# Altium PCB PI4MB_HAT_V2_1.PcbDoc
Units mm, origin at the board's own origin, x right, y up, seen from the top; angles counter-clockwise.
Board outline 65 x 56 mm, 4 copper layers (Top Layer, Int1 (GND), Int2 (PWR), Bottom Layer), stack 1.594 mm thick; 45 components, 41 nets, 219 pads, 108 vias.
Unrouted connection lines stored in the file: 3.
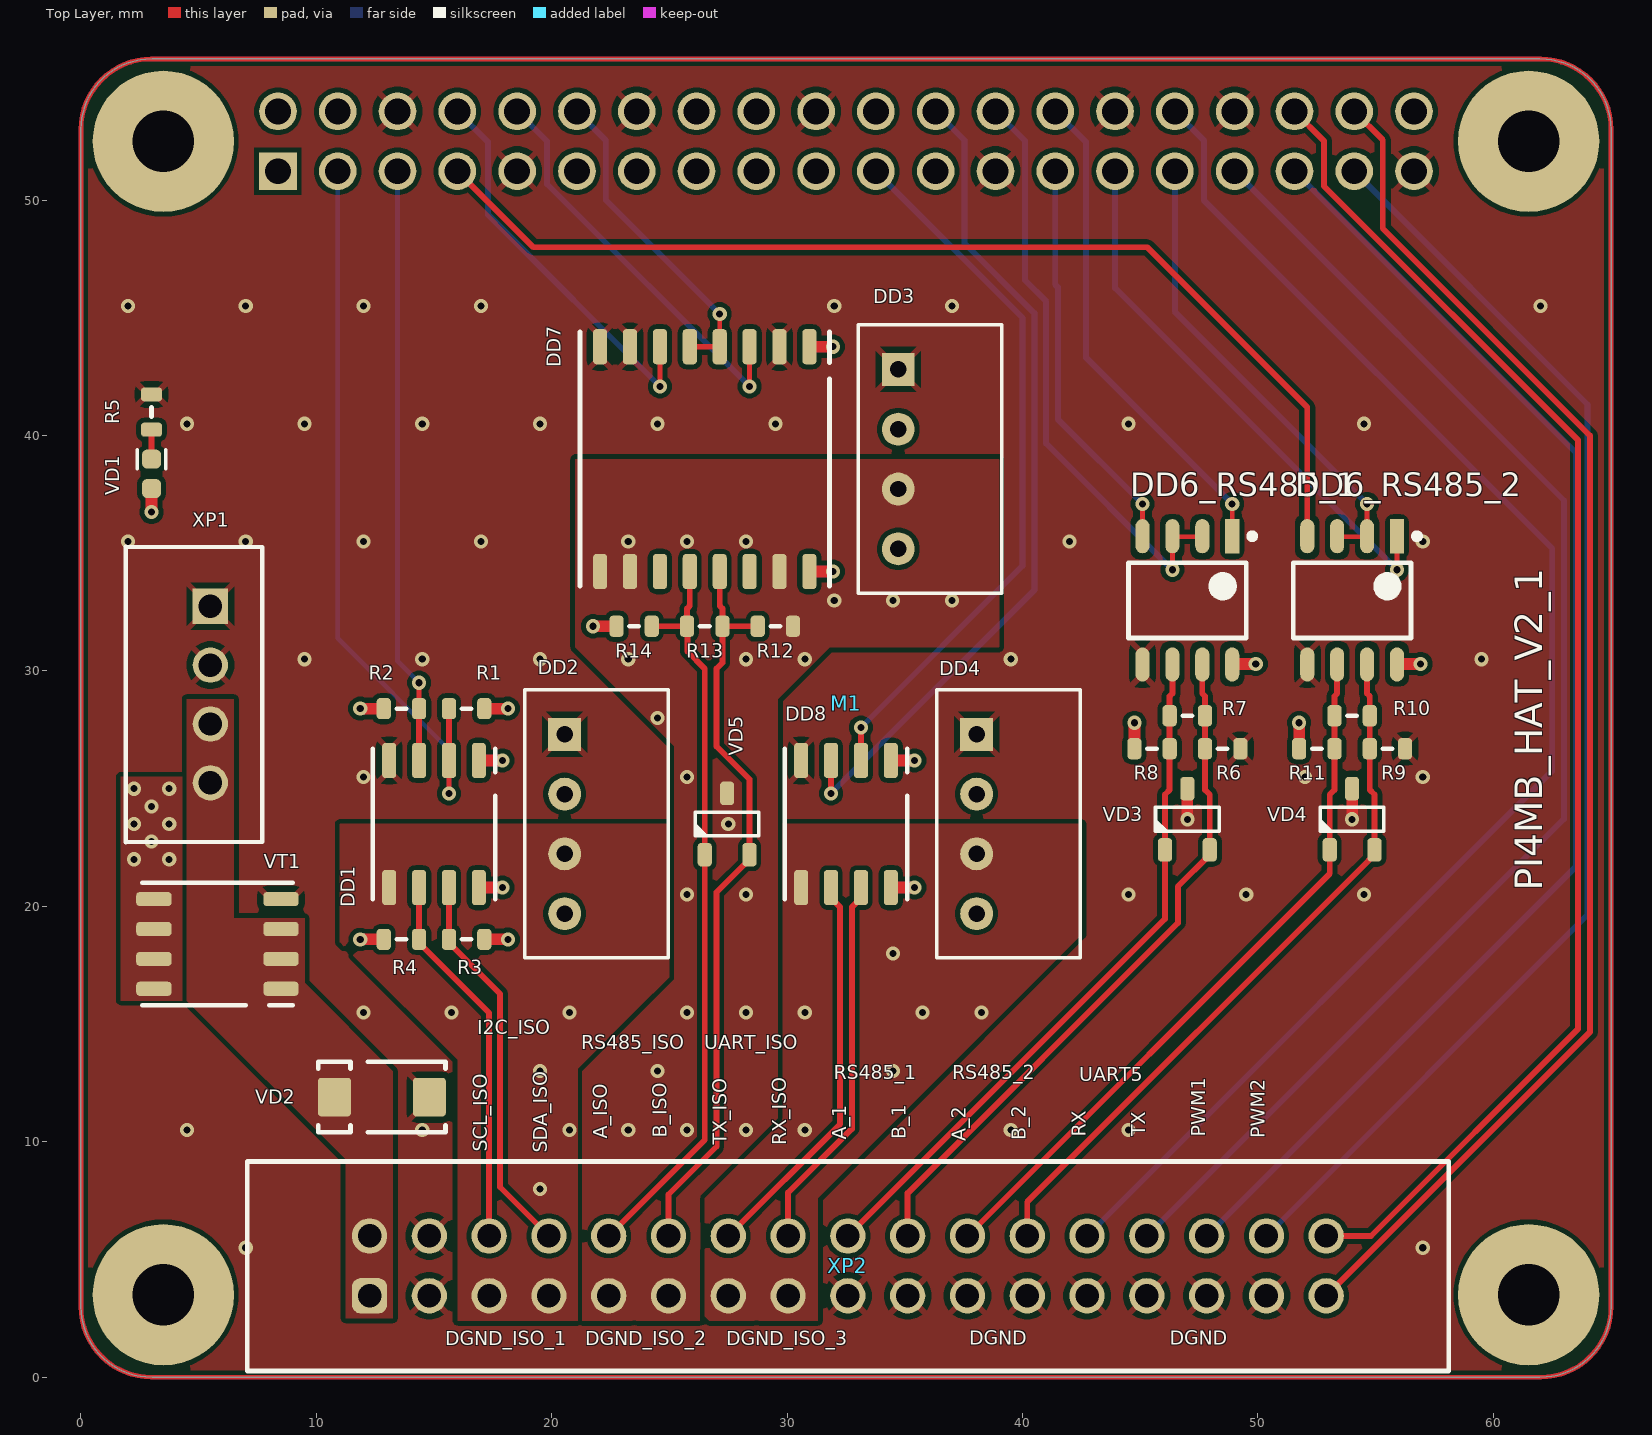
[diagram p0: Top Layer view]
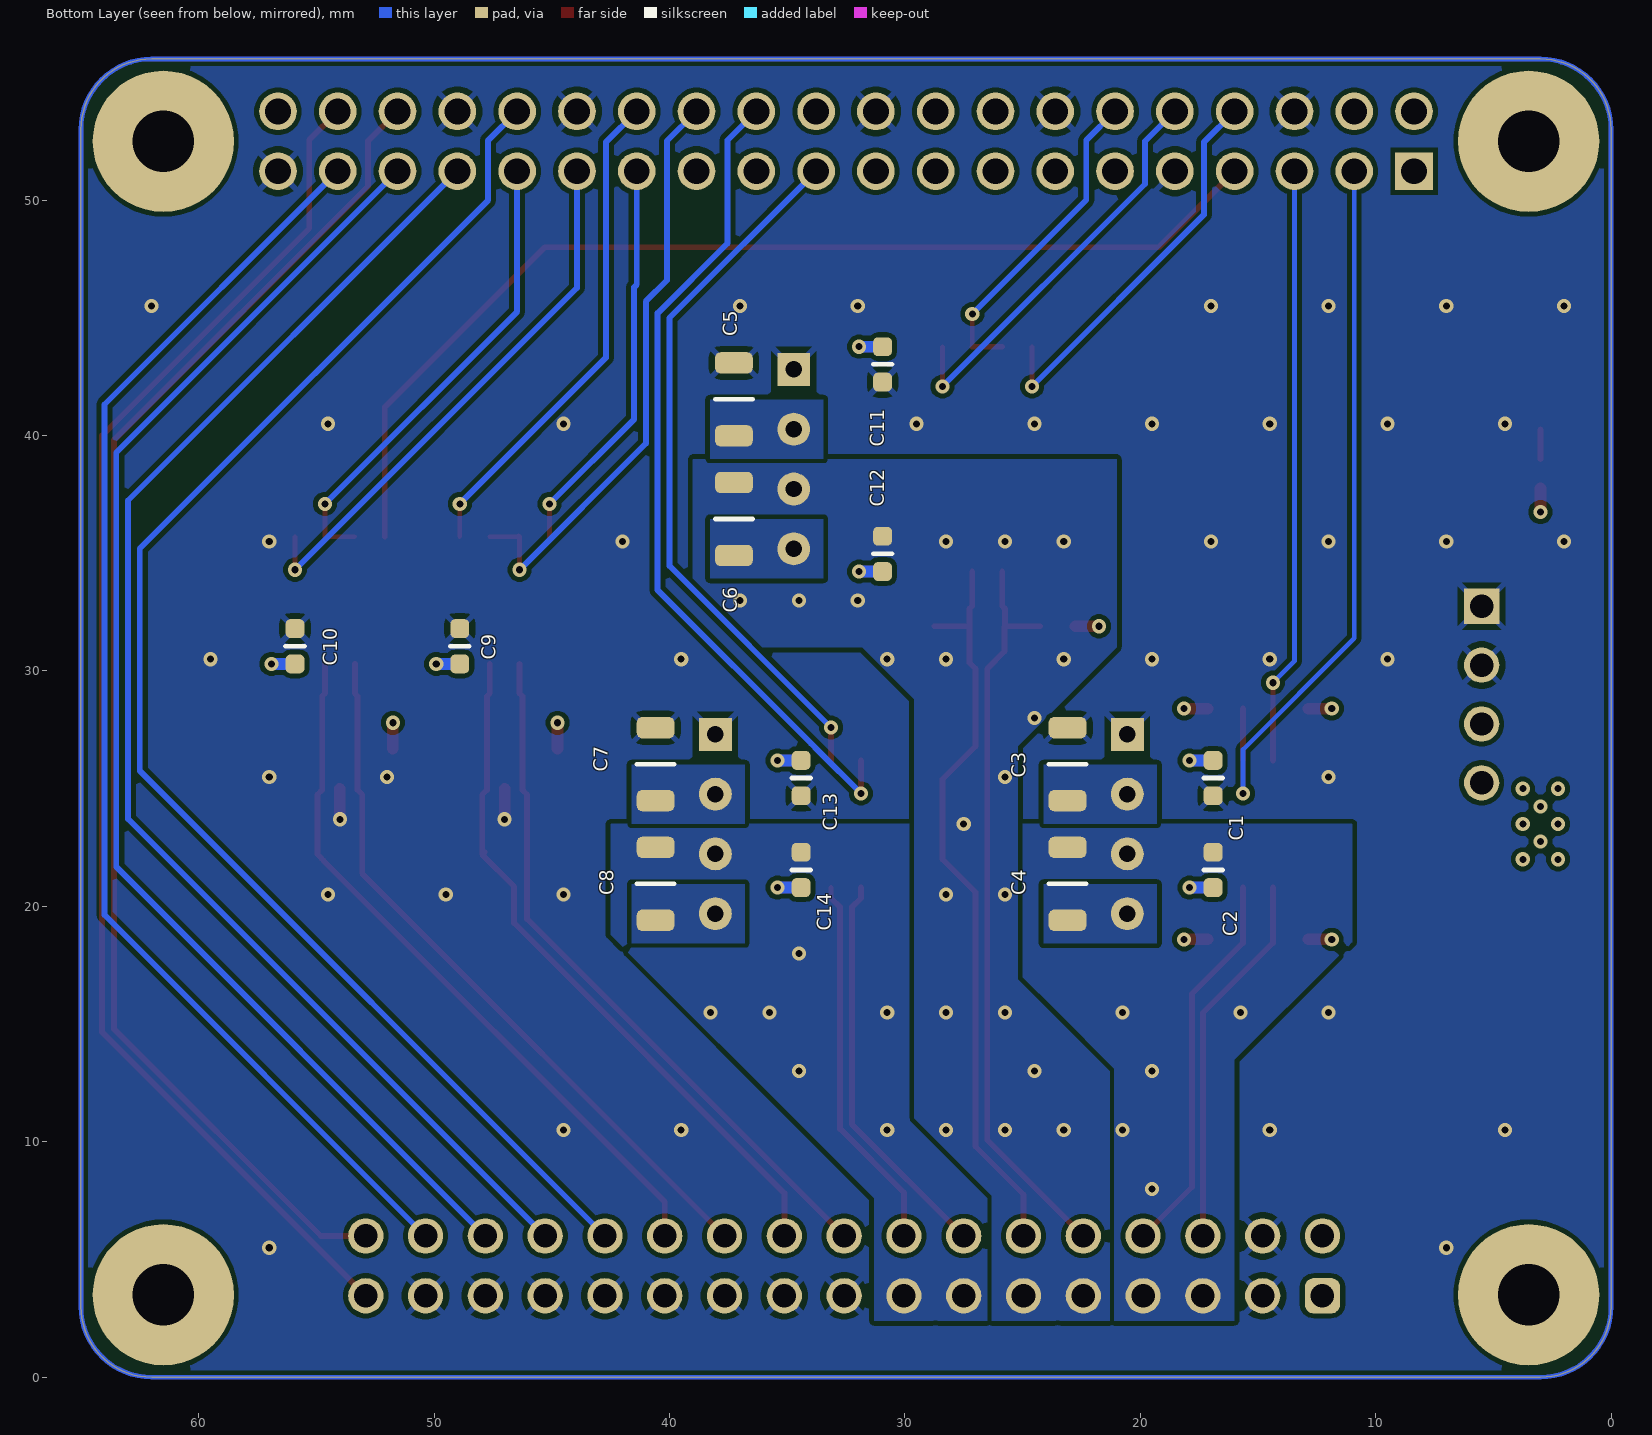
[diagram p1: Bottom Layer view, seen from below]
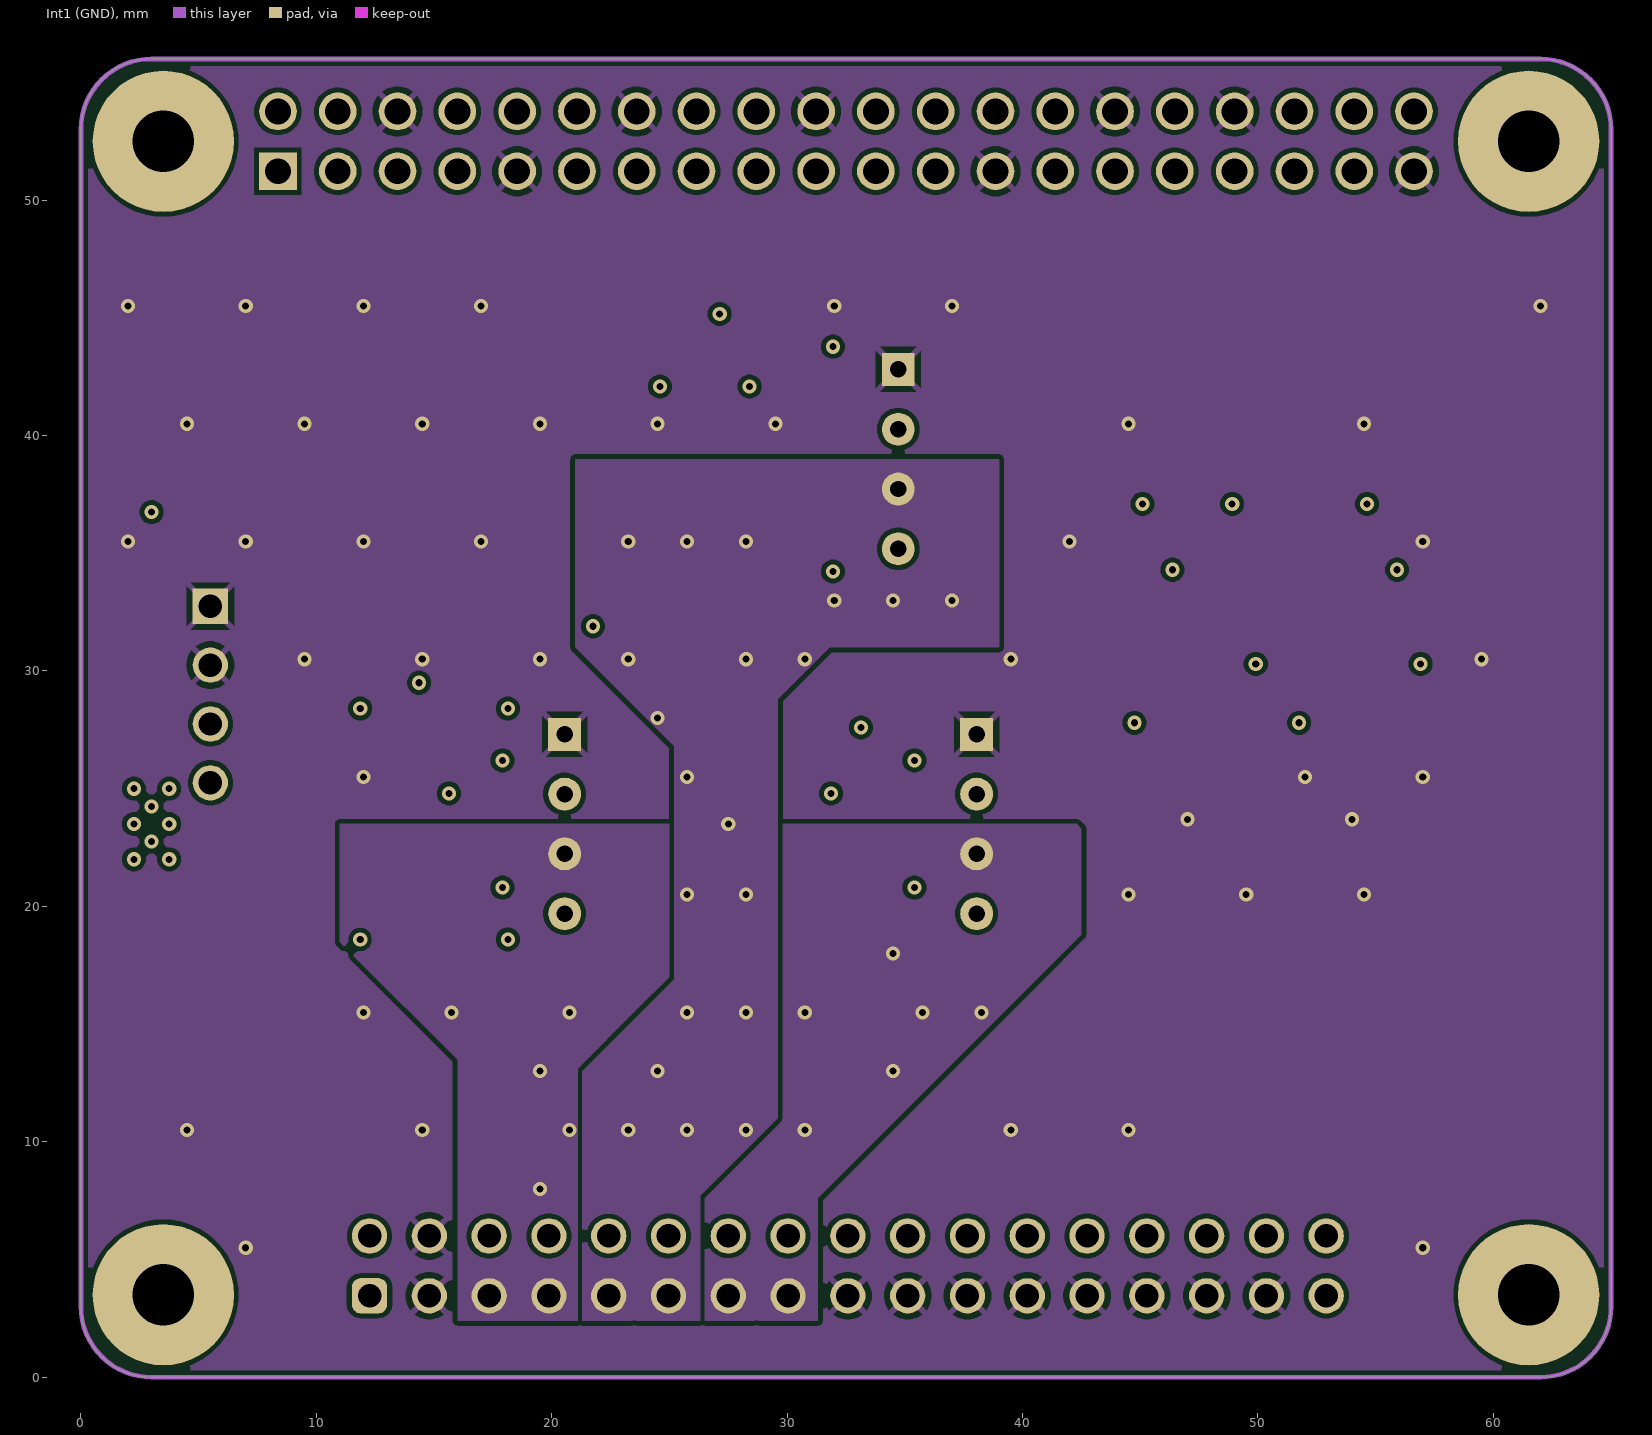
[diagram p2: Int1 (GND)]
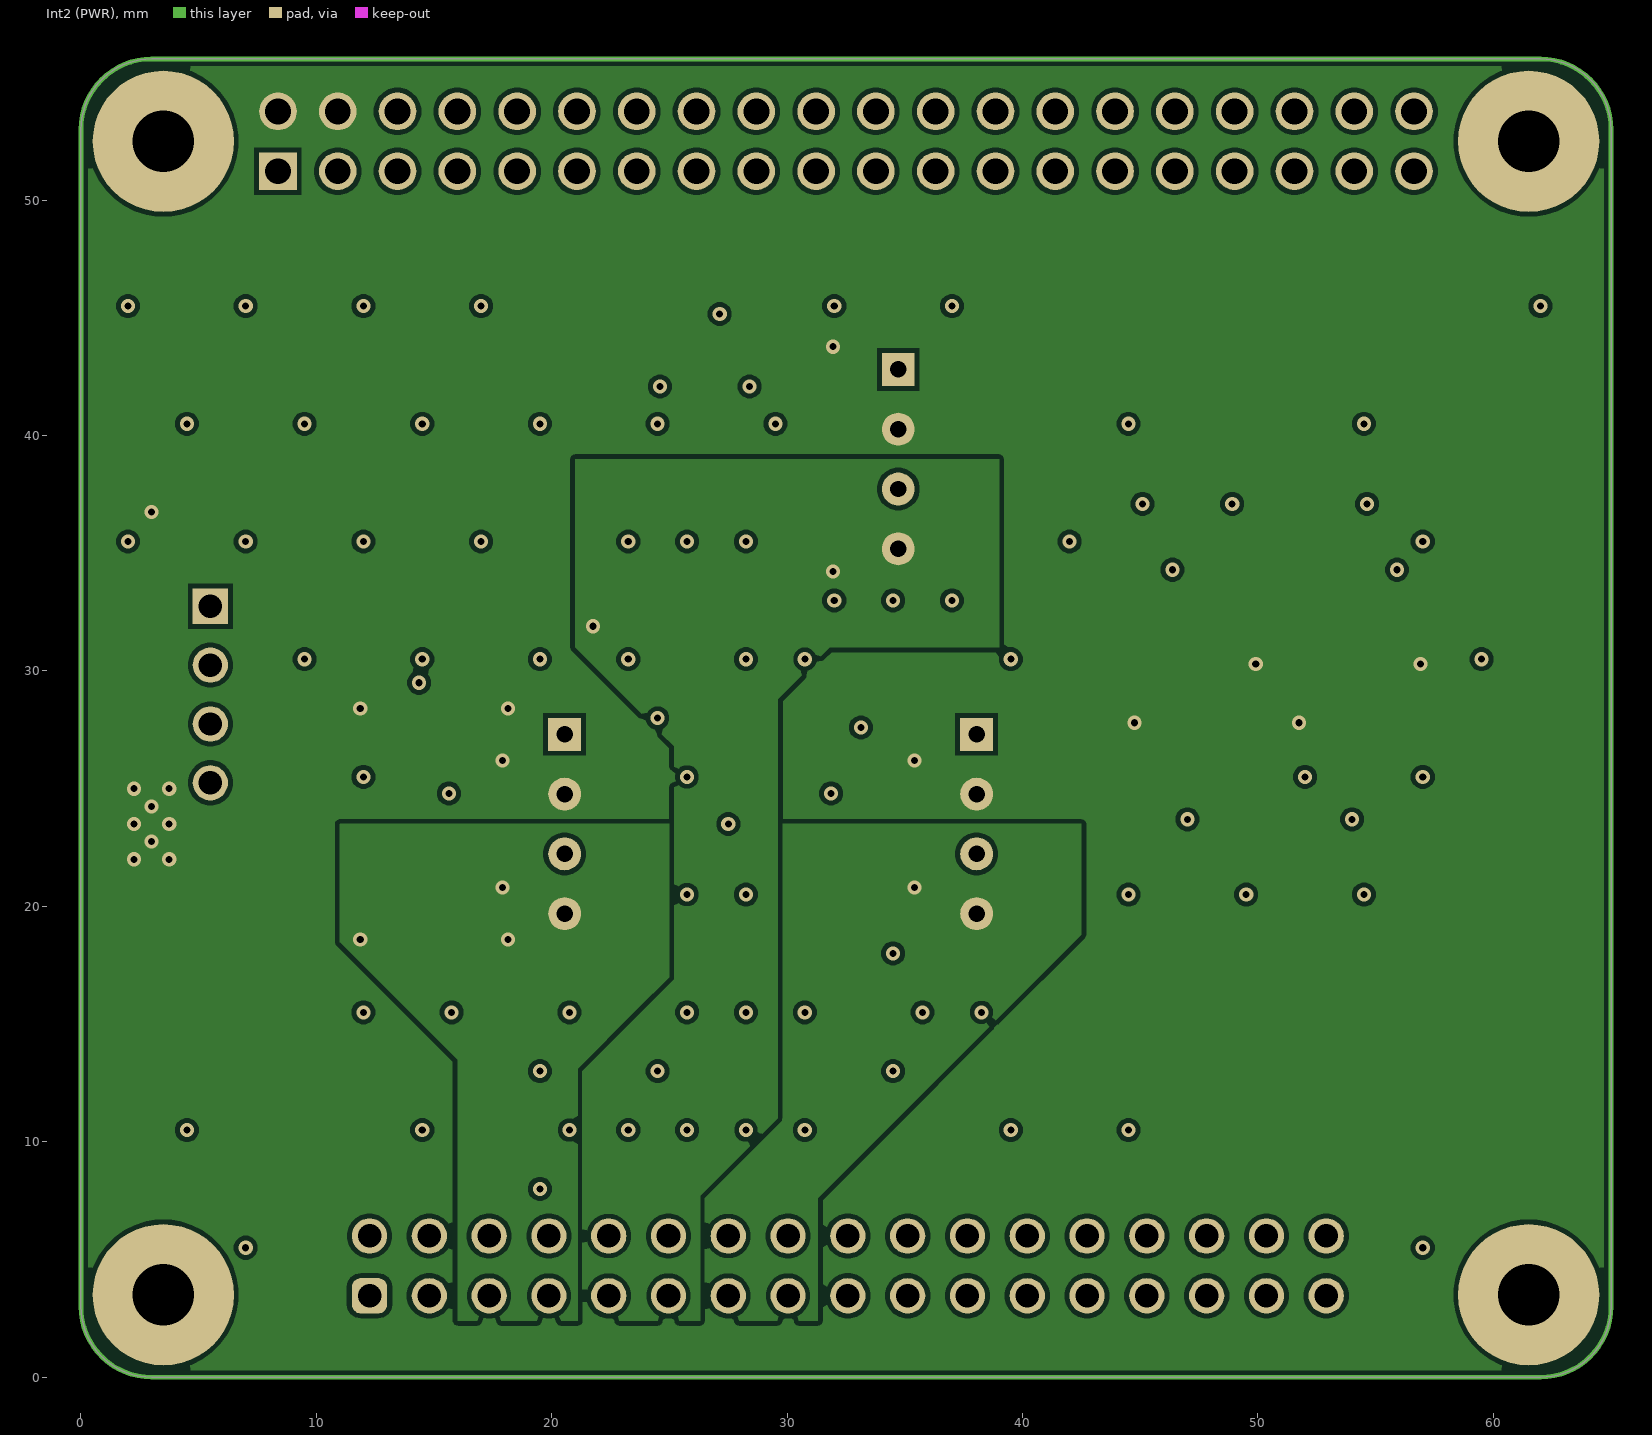
[diagram p3: Int2 (PWR)]

## Layer stack, top to bottom
Top Solder: solder mask 0.0254, SM-001, Dk 4
Top Layer: signal copper 0.035
Dielectric 1: prepreg 0.127, FR4, Dk 4.2
Int1 (GND): signal copper 0.035
Dielectric 3: core 1.2, FR4, Dk 4.6
Int2 (PWR): signal copper 0.035
Dielectric 5: prepreg 0.127, FR4, Dk 4.2
Bottom Layer: signal copper 0.035
Bottom Solder: solder mask 0.0254, SM-001, Dk 4

## Board outline
3,0 cw(c3,3) 0,3 0,53 cw(c3,53) 3,56 62,56 cw(c62,53) 65,53 65,3 cw(c62,3) 62,0

## Design rules (kind name [scope] priority, off if disabled: settings)
Clearance [All] p1: gap=0.2 ignorepadtopadclearanceinfootprint=FALSE
ComponentClearance [All] p1 off: gap=0.254 collisioncheckmode=3 verticalgap=0.254 showdistances=FALSE
PolygonConnect PolygonViaConnect [All vs IsVia] p1: connectstyle=Direct reliefconductorwidth=0.254 reliefentries=4 polygonreliefangle="90 Angle" airgapwidth=0.254
PolygonConnect PolygonConnect_DGND_ISO [All vs InNet('DGND_ISO')] p2: connectstyle=Relief reliefconductorwidth=0.254 reliefentries=4 polygonreliefangle="45 Angle" airgapwidth=0.254
PolygonConnect PolygonConnect_12V_ISO [All vs InNet('DGND')] p3: connectstyle=Relief reliefconductorwidth=0.254 reliefentries=4 polygonreliefangle="45 Angle" airgapwidth=0.254
PolygonConnect [All] p4: connectstyle=Direct reliefconductorwidth=0.254 reliefentries=4 polygonreliefangle="90 Angle" airgapwidth=0.254
RoomDefinition I2C_ISO [InComponentClass('I2C_ISO')] p1 off: confinementstyle=ConfineIn formatcopy=TRUE lockcomponents=FALSE outline -38,-54.5 12.8,-54.5 12.8,-29.1 -38,-29.1
RoomDefinition UART_ISO [InComponentClass('UART_ISO')] p2 off: confinementstyle=ConfineIn formatcopy=TRUE lockcomponents=FALSE outline 66.1,40.4 84.8,40.4 84.8,48.7 66.1,48.7
RoomDefinition RS485_1 [InComponentClass('RS485_1')] p3 off: confinementstyle=ConfineIn formatcopy=TRUE lockcomponents=FALSE outline 66.2,50 69.6,50 69.6,53.9 66.2,53.9
RoomDefinition RS485_ISO [InComponentClass('RS485_ISO')] p4 off: confinementstyle=ConfineIn formatcopy=TRUE lockcomponents=FALSE outline 140.943,100.059 156.945,100.059 156.945,108.441 140.943,108.441
RoomDefinition RS485_2 [InComponentClass('RS485_2')] p5 off: confinementstyle=ConfineIn formatcopy=TRUE lockcomponents=FALSE outline 140.943,90.407 158.469,90.407 158.469,98.789 140.943,98.789
RoomDefinition Main [InComponentClass('Main')] p6 off: confinementstyle=ConfineIn formatcopy=TRUE lockcomponents=FALSE outline 165.92,-43.575 301.683,-43.575 301.683,48.5 165.92,48.5
RoutingVias [All] p1: holewidth=0.3 width=0.6 viastyle="Through Hole" minholewidth=0.3 minwidth=0.6 maxholewidth=1 maxwidth=2
SolderMaskExpansion [All] p1: expansion=0.102 istentingtop=FALSE
SupplyNets "Schematic Supply Nets_8" [InNet('5VIN')] p1: voltage=0.000
SupplyNets "Schematic Supply Nets_7" [InNet('DGND_ISO_2')] p2: voltage=0.000
SupplyNets "Schematic Supply Nets_6" [InNet('5V_ISO_3')] p3: voltage=0.000
SupplyNets "Schematic Supply Nets_5" [InNet('5V_ISO_2')] p4: voltage=0.000
SupplyNets "Schematic Supply Nets_4" [InNet('DGND')] p5: voltage=0.000
SupplyNets "Schematic Supply Nets_3" [InNet('DGND_ISO_3')] p6: voltage=0.000
SupplyNets "Schematic Supply Nets_2" [InNet('5V')] p7: voltage=0.000
SupplyNets "Schematic Supply Nets_1" [InNet('DGND_ISO_1')] p8: voltage=0.000
SupplyNets "Schematic Supply Nets" [InNet('5V_ISO_1')] p9: voltage=0.000
Width [All] p1: maxlimit=10 minlimit=0.2 preferedwidth=0.254 toplayer_prefwidth=0.25 midlayer1_minwidth=0.254 midlayer1_maxwidth=0.254 midlayer2_minwidth=0.254 midlayer2_maxwidth=0.254 bottomlayer_prefwidth=0.25 minimp=50.000000 maximp=50.000000 favimp=50.000000
29 further rules are at their usual default settings.

## Classes and differential pairs
channel class RS485: RS485_1 RS485_2
component class UART_ISO: C13 C14 DD8
component class RS485_ISO: C11 C12 DD7 R12 R13 R14 VD5
component class RS485_2: C10 DD6 R9 R10 R11 VD4
component class Main: C3 C4 C5 C6 C7 C8 DD2 DD3 DD4 M1 R5 VD1 VD2 VT1 XP1 XP2
component class RS485_1: C9 DD6_RS485_1 R6 R7 R8 VD3
component class I2C_ISO: C1 C2 DD1 R1 R2 R3 R4

## Components (designator, comment, footprint, x,y, rotation, side; value= is the part's Value field where it differs from the comment)
C1 "0,1 мкФ" C0603C 16.905,25.45 r270 bottom (schematic designator C9)
C2 "0,1 мкФ" C0603C 16.905,21.55 r90 bottom (schematic designator C10)
C3 "10 мкФ" C1206C 23.09,26.04 r90 bottom (schematic designator C1)
C4 "10 мкФ" C1206C 23.09,20.96 r90 bottom (schematic designator C2)
C5 "10 мкФ" C1206C 37.26,41.54 r90 bottom (schematic designator C3)
C6 "10 мкФ" C1206C 37.26,36.46 r90 bottom (schematic designator C4)
C7 "10 мкФ" C1206C 40.59,26.04 r90 bottom (schematic designator C5)
C8 "10 мкФ" C1206C 40.59,20.96 r90 bottom (schematic designator C6)
C9 "0,1 мкФ" C0603C 48.905,31.05 r90 bottom (schematic designator C13)
C10 "0,1 мкФ" C0603C 55.905,31.05 r90 bottom (schematic designator C13)
C11 "0,1 мкФ" C0603C 30.945,43.025 r270 bottom
C12 "0,1 мкФ" C0603C 30.945,34.975 r90 bottom
C13 "0,1 мкФ" C0603C 34.405,25.45 r270 bottom (schematic designator C7)
C14 "0,1 мкФ" C0603C 34.405,21.55 r90 bottom (schematic designator C8)
DD1 "ISO1540D" SOIC-8#1 15,23.5 r270 top (schematic designator DD5)
DD2 "TME 0505S" TME-1W-SINGLE 20.55,27.31 r270 top (schematic designator DD1)
DD3 "TME 0505S" TME-1W-SINGLE 34.72,42.81 r270 top (schematic designator DD2)
DD4 "TME 0505S" TME-1W-SINGLE 38.05,27.31 r270 top (schematic designator DD3)
DD6_RS485_1 "MAX485CSA" SOIC-8#2 47,33 r270 top (schematic designator DD6)
DD6_RS485_2 "MAX485CSA" SOIC-8#2 54,33 r270 top (schematic designator DD6)
DD7 "ISO3082DW" SOIC-Wide-16 26.5,39 r270 top (schematic designator DD6)
DD8 "ADUM1201CRZ-RL7" SOIC-8#1 32.5,23.5 r270 top
M1 "Raspberry Pi 4" "Raspberry Pi 4" 3.5,52.5 r0 top locked
R1 "1,5 кОм" C0603R 16.385,28.4 r0 top (schematic designator R2)
R2 "1,5 кОм" C0603R 13.615,28.4 r180 top (schematic designator R3)
R3 "1,5 кОм" C0603R 16.385,18.6 r0 top (schematic designator R4)
R4 "1,5 кОм" C0603R 13.615,18.6 r180 top (schematic designator R5)
R5 "130 Ом" C0603R 3,41 r90 top (schematic designator R1)
R6 "100 кОм" C0603R 48.5,26.7 r180 top (schematic designator R9)
R7 "120 Ом" C0603R 47,28.1 r180 top (schematic designator R10)
R8 "100 кОм" C0603R 45.5,26.7 r180 top (schematic designator R11)
R9 "100 кОм" C0603R 55.5,26.7 r180 top
R10 "120 Ом" C0603R 54,28.1 r180 top
R11 "100 кОм" C0603R 52.5,26.7 r180 top
R12 "100 кОм" C0603R 29.5,31.9 r180 top (schematic designator R6)
R13 "120 Ом" C0603R 26.5,31.9 r180 top (schematic designator R7)
R14 "100 кОм" C0603R 23.5,31.9 r180 top (schematic designator R8)
VD1 "KPH-1608SGC" LED_0603 3,38.375 r270 top
VD2 "SMAJ5.0CA" DO-214AC 12.785,11.9 r0 top locked
VD3 "SM712" SOT23-3 47,23.7 r0 top (schematic designator VD4)
VD4 "SM712" SOT23-3 54,23.7 r0 top
VD5 "SM712" SOT23-3 27.45,23.5 r0 top (schematic designator VD3)
VT1 "IRF7416PBF" SOIC-8#1 5.8,18.405 r180 top
XP1 "DS1069-4 M" "DS1069-4 M" 5.5,32.75 r270 top
XP2 "DS1013-34S" IDC-34MS 12.26,3.46 r0 top locked

## Footprints (in the part's own frame and the unit in brackets; to place one, negate y for a bottom-side part, rotate by r counter-clockwise, add the part's x,y. Pads: shape width x height; smd on the part's side, far side on the other; paste and mask are expansions set on the pad)
C0603C [mm]
  rrect50% 0.8x0.8 smd: 1(-0.75,0) 2(0.75,0)
  silkscreen extent 0,-0.4 0,0.4, body extent -0.8,-0.4 0.8,0.4, height 0.95
C0603R [mm]
  rrect50% 0.6x0.9 smd: 1(-0.75,0) 2(0.75,0)
  silkscreen extent -0.2,0 0.2,0, body extent -0.8,-0.4 0.8,0.4, height 0.44
C1206C [mm]
  rrect50% 0.9x1.6 smd: 1(-1.55,0) 2(1.55,0)
  silkscreen extent 0,-0.8 0,0.8, body extent -1.6,-0.8 1.6,0.8, height 1.3
DO-214AC [mm]
  rrect20% 1.4x1.64 smd: 1(-2.015,0) 2(2.015,0)
  silkscreen extent -2.7,-1.5 2.7,1.5, body extent -2.6,-1.36 2.6,1.36, height 2.7
"DS1069-4 M" [mil]
  rect 59x59 hole 39: 1(0,0)
  round 59 hole 39: 2(98.43,0) 3(196.85,0) 4(295.28,0)
  silkscreen extent -99,-142 395,87, body extent -94,-140 394,87, height 276
IDC-34MS [mm]
  rrect50% 1.5x1.5 hole 1: 1(0,0)
  round 1.5 hole 1: 2(0,2.54) 3(2.54,0) 4(2.54,2.54) 5(5.08,0) 6(5.08,2.54) 7(7.62,0) 8(7.62,2.54) 9(10.16,0) 10(10.16,2.54) 11(12.7,0) 12(12.7,2.54) 13(15.24,0) 14(15.24,2.54) 15(17.78,0) 16(17.78,2.54) 17(20.32,0) 18(20.32,2.54) 19(22.86,0) 20(22.86,2.54) 21(25.4,0) 22(25.4,2.54) 23(27.94,0) 24(27.94,2.54) 25(30.48,0) 26(30.48,2.54) 27(33.02,0) 28(33.02,2.54) 29(35.56,0) 30(35.56,2.54) 31(38.1,0) 32(38.1,2.54) 33(40.64,0) 34(40.64,2.54)
  silkscreen extent -5.2,-3.2 45.84,5.7, body extent -5.17,-3.23 45.81,5.67, height 9
LED_0603 [mm]
  rrect50% 0.8x0.8 smd: 1(-0.625,0) 2(0.625,0)
  silkscreen extent -1.03,-0.6 -0.22,0.6, body extent -0.8,-0.4 0.8,0.4, height 1.1
"Raspberry Pi 4" [mm]
  round 6 hole 2.6: 0(0,-49) 0(0,0) 0(58,-49) 0(58,0)
  rect 1.6x1.6 hole 1.1: 1(4.87,-1.27)
  round 1.6 hole 1.1: 2(4.87,1.27) 3(7.41,-1.27) 4(7.41,1.27) 5(9.95,-1.27) 6(9.95,1.27) 7(12.49,-1.27) 8(12.49,1.27) 9(15.03,-1.27) 10(15.03,1.27) 11(17.57,-1.27) 12(17.57,1.27) 13(20.11,-1.27) 14(20.11,1.27) 15(22.65,-1.27) 16(22.65,1.27) 17(25.19,-1.27) 18(25.19,1.27) 19(27.73,-1.27) 20(27.73,1.27) 21(30.27,-1.27) 22(30.27,1.27) 23(32.81,-1.27) 24(32.81,1.27) 25(35.35,-1.27) 26(35.35,1.27) 27(37.89,-1.27) 28(37.89,1.27) 29(40.43,-1.27) 30(40.43,1.27) 31(42.97,-1.27) 32(42.97,1.27) 33(45.51,-1.27) 34(45.51,1.27) 35(48.05,-1.27) 36(48.05,1.27) 37(50.59,-1.27) 38(50.59,1.27) 39(53.13,-1.27) 40(53.13,1.27)
  body extent -3.5,-54.95 85.57,3.5, height 4.44
SOIC-8#1 [mm]
  rrect50% 1.5x0.6 smd: 1(-2.7,1.905) 2(-2.7,0.635) 3(-2.7,-0.635) 4(-2.7,-1.905) 5(2.7,-1.905) 6(2.7,-0.635) 7(2.7,0.635) 8(2.7,1.905)
  silkscreen extent -3.2,-2.6 3.2,2.6, body extent -3,-2.45 3,2.45, height 1.75
SOIC-8#2 [mm] "for operational amplifier"
  rect 1.45x0.6 smd: 1(-2.725,1.905)
  oval 1.45x0.6 smd: 2(-2.725,0.635) 3(-2.725,-0.635) 4(-2.725,-1.905) 5(2.725,-1.905) 6(2.725,-0.635) 7(2.725,0.635) 8(2.725,1.905)
  silkscreen extent -2.85,-2.5 1.6,2.88, body extent -3,-2.5 3,2.5, height 1.75
SOIC-Wide-16 [mm]
  rrect50% 1.5x0.6 smd: 1(-4.775,4.445) 2(-4.775,3.175) 3(-4.775,1.905) 4(-4.775,0.635) 5(-4.775,-0.635) 6(-4.775,-1.905) 7(-4.775,-3.175) 8(-4.775,-4.445) 9(4.775,-4.445) 10(4.775,-3.175) 11(4.775,-1.905) 12(4.775,-0.635) 13(4.775,0.635) 14(4.775,1.905) 15(4.775,3.175) 16(4.775,4.445)
  silkscreen extent -5.4,-5.3 5.4,5.3, body extent -5.15,-5.15 5.15,5.15, height 2.65
SOT23-3 [mm]
  rrect50% 0.6x1 smd: 1(-0.95,-1.3) 2(0.95,-1.3) 3(0,1.3)
  silkscreen extent -1.35,-0.51 1.35,0.51, body extent -1.45,-1.24 1.45,1.25, height 1.09
TME-1W-SINGLE [mm]
  rect 1.4x1.4 hole 0.7: 1(0,0)
  round 1.4 hole 0.7: 2(2.54,0) 3(5.08,0) 4(7.62,0)
  silkscreen extent -1.9,-1.7 9.5,4.4, body extent -1.89,-1.68 9.51,4.32, height 10

## Part data
C1 C2 C9 C10 C11 C12 C13 C14: library part CC0603KRX7R9BB104, "SMD 0603 ; X7R; 0,1 мкФ; 50 В", Dielectric=X7R, Manufacturer=YAGEO, Package="SMD 0603", Voltage="50 В", ComponentLink1Description=Datasheet, Part Number=CC0603KRX7R9BB104, Persent=±5%, Type=Ceramic
C3 C4 C5 C6 C7 C8: library part CC1206KKX7R8BB106, "SMD 1206; X7R; 10 мкФ; 25 В", Dielectric=X7R, Manufacturer=YAGEO, Package="SMD 1206", Voltage="25 В", ComponentLink1Description=Datasheet, Part Number=CC1206KKX7R8BB106, Persent=±15%, Type=Ceramic
DD1: "I2C ISO", Manufacturer="Texas Instruments", Part Number=ISO1540D, Type=ISO
DD2 DD3 DD4: "Switching regulator, 5V", Manufacturer="Traco Power", Part Number="TME 0505S", Type="ISO DC/DC"
DD6_RS485_1 DD6_RS485_2: "RS-485 приёмопередатчик", Part Number=MAX485CSA
DD7: "RS-485 Transceivers", Manufacturer="Texas Instruments", Part Number=ISO3082DW, Type=Special
DD8: "Цифровой изолятор 2.5кВ, 2 канала, 1/1"
M1: Manufacturer=Raspberry, ComponentLink1Description=Datasheet, Part Number="Raspberry Pi 4", Type=Module
R1 R2 R3 R4: library part RC0603FR-071K5L, "SMD 0603; 0,1; 1%; 1,5 кОм", Manufacturer=Yageo, Package="SMD 0603", Power=0,1, Category=R, Part Number=RC0603FR-071K5L, Persent=1%
R5: library part RC0603FR-07130RL, "SMD 0603; 0,1; 1%; 130 Ом", Manufacturer=Yageo, Package="SMD 0603", Power=0,1, Category=R, Part Number=RC0603FR-07130RL, Persent=1%
R6 R8 R9 R11 R12 R14: library part RC0603FR-07100KL, "SMD 0603; 0,1; 1%; 100 кОм", Manufacturer=Yageo, Package="SMD 0603", Power=0,1, Category=R, Part Number=RC0603FR-07100KL, Persent=1%
R7 R10 R13: library part RC0603FR-07120RL, "SMD 0603; 0,1; 1%; 120 Ом", Manufacturer=Yageo, Package="SMD 0603", Power=0,1, Category=R, Part Number=RC0603FR-07120RL, Persent=1%
VD1: "0603 LED GREEN 10 ucd", Manufacturer=Kingbright, Part Number=KPH-1608SGC, Type=LED
VD2: "TVS 5 В", Manufacturer=BOURNS, Power=400W, Voltage=5V, Part Number=SMAJ5.0CA, Type=TVS
VD3 VD4 VD5: library part SM712.TCT, "TVS RS485", Manufacturer=Semtech, Part Number=SM712.TCT, Type=TVS
VT1: "P MOSFET", Manufacturer=Infineon, Part Number=IRF7416PBF, Type=MOSFET, Сharacter=P
XP1: Manufacturer=Connfly, Part Number="DS1069-4 M"
XP2: "IDC", Manufacturer=Connfly, Part Number=DS1013-34S, Type=IDC

## Via types
v1: diameter 0.6, hole 0.3, Top Layer to Bottom Layer, tented both sides, 108 vias

## Nets (pads, with @x,y where several pads share a name; then routed paths per layer and width w, separated by ;. In a path a pad name is that pad's centre, name@x,y a point inside that pad or via, vN(x,y) a via of type N, cw(c..) or ccw(c..) an arc to the next point about the centre after c; other vN are vias at no path point)
5V: C1.1 C3.1 C5.1 C7.1 C9.1 C10.1 C11.1 C13.1 DD1.1 DD2.2 DD3.2 DD4.2 DD6_RS485_1.8 DD6_RS485_2.8 DD7.1 DD8.1 M1.2 M1.4 R1.2 R2.2 R8.2 R11.2 VD1.2 VT1.5 | length 15.2
  Top Layer w0.5: v1(3,36.75) VD1.2 ; v1(11.865,28.4) R2.2 ; DD1.1 v1(17.905,26.2) ; R1.2 v1(18.135,28.4) ; DD7.1 v1(31.945,43.775) ; DD8.1 v1(35.405,26.2) ; R8.2 v1(44.75,27.8) ; DD6_RS485_1.8@48.905,30.3 v1(49.905,30.3) ; R11.2 v1(51.75,27.8) ; DD6_RS485_2.8@55.905,30.3 v1(56.905,30.3)
  Bottom Layer w0.5: C1.1 v1(17.905,26.2) ; C11.1 v1(31.945,43.775) ; C13.1 v1(35.405,26.2) ; C9.1 v1(49.905,30.3) ; C10.1 v1(56.905,30.3)
  other v1: 2.25,22 3.75,22 3,22.75 2.25,23.5 3.75,23.5 3,24.25 2.25,25 3.75,25
5V_ISO_1: C2.1 C4.1 DD1.8 DD2.4 R3.2 R4.2 | length 4
  Top Layer w0.5: v1(11.865,18.6) R4.2 ; DD1.8 v1(17.905,20.8) ; R3.2 v1(18.135,18.6)
  Bottom Layer w0.5: C2.1 v1(17.905,20.8)
5V_ISO_2: C6.1 C12.1 DD3.4 DD7.16 R14.2 | length 3
  Top Layer w0.5: v1(21.75,31.9) R14.2 ; DD7.16 v1(31.945,34.225)
  Bottom Layer w0.5: C12.1 v1(31.945,34.225)
5V_ISO_3: C8.1 C14.1 DD4.4 DD8.8 | length 2
  Top Layer w0.5: DD8.8 v1(35.405,20.8)
  Bottom Layer w0.5: C14.1 v1(35.405,20.8)
5VIN: VD2.1 VT1.1 XP1.3 XP1.4 XP2.1 XP2.2
D: VT1.6 VT1.7 VT1.8
DGND: C1.2 C3.2 C5.2 C7.2 C9.2 C10.2 C11.2 C13.2 DD1.4 DD2.1 DD3.1 DD4.1 DD6_RS485_1.5 DD6_RS485_2.5 DD7.2 DD7.7 DD7.8 DD8.4 M1.6 M1.9 M1.14 M1.20 M1.25 M1.30 M1.34 M1.39 R5.2 R6.1 R9.1 VD2.2 VD3.3 VD4.3 VT1.4 XP1.1 XP1.2 XP2.3 XP2.4 XP2.17 XP2.19 XP2.21 XP2.23 XP2.25 XP2.27 XP2.29 XP2.31 | length 2.6
  Top Layer w0.5: v1(47,23.7) VD3.3 ; v1@54,23.7 VD4.3
  other v1: 7,5.5 57,5.5 4.5,10.5 14.5,10.5 39.5,10.5 44.5,10.5 12,15.5 44.5,20.5 49.5,20.5 54.5,20.5 54,23.7 12,25.5 52,25.5 57,25.5 9.5,30.5 14.5,30.5 19.5,30.5 39.5,30.5 59.5,30.5 2,35.5 7,35.5 12,35.5 17,35.5 42,35.5 57,35.5 4.5,40.5 9.5,40.5 14.5,40.5 19.5,40.5 24.5,40.5 29.5,40.5 44.5,40.5 54.5,40.5 2,45.5 7,45.5 12,45.5 17,45.5 32,45.5 37,45.5 62,45.5
DGND_ISO_1: C2.2 C4.2 DD1.5 DD2.3 XP2.5 XP2.7
  other v1: 19.5,8 20.75,10.5 19.5,13 15.75,15.5 20.75,15.5
DGND_ISO_2: C6.2 C12.2 DD3.3 DD7.9 DD7.10 DD7.15 R12.1 VD5.3 XP2.9 XP2.11
  other v1: 23.25,10.5 25.75,10.5 28.25,10.5 24.5,13 25.75,15.5 28.25,15.5 25.75,20.5 28.25,20.5 27.5,23.5 25.75,25.5 24.5,28 23.25,30.5 28.25,30.5 30.75,30.5 32,33 34.5,33 37,33 23.25,35.5 25.75,35.5 28.25,35.5
DGND_ISO_3: C8.2 C14.2 DD4.3 DD8.5 XP2.13 XP2.15
  other v1: 30.75,10.5 34.5,13 30.75,15.5 35.75,15.5 38.25,15.5 34.5,18
NetDD1_6: DD1.6 R4.1 XP2.6 | length 16
  Top Layer w0.25: DD1.6 R4.1 14.365,18.45 17.34,15.475 XP2.6
NetDD1_7: DD1.7 R3.1 XP2.8 | length 16.6
  Top Layer w0.25: DD1.7 R3.1 15.635,18.45 17.8,16.285 17.8,8.08 XP2.8
NetDD6_RS485_1_6: DD6_RS485_1.6 R7.2 R8.1 VD3.1 XP2.18 | length 30
  Top Layer w0.25: XP2.18 46.05,19.47 VD3.1 46.05,24.75 46.25,24.95 R8.1 R7.2 46.25,28.925 46.365,29.04 DD6_RS485_1.6@46.365,30.3
NetDD6_RS485_1_7: DD6_RS485_1.7 R6.2 R7.1 VD3.2 XP2.20 | length 29.9
  Top Layer w0.25: XP2.20 35.12,7.82 46.6,19.3 46.6,20.85 47.95,22.2 VD3.2 ; DD6_RS485_1.7@47.635,30.3 47.635,29.04 47.75,28.925 R7.1 R6.2 47.75,24.95 47.95,24.75 VD3.2 ; VD3.2@47.854,22.304 VD3.2
NetDD6_RS485_2_6: DD6_RS485_2.6 R10.2 R11.1 VD4.1 XP2.22 | length 30.8
  Top Layer w0.25: XP2.22 53.05,21.39 VD4.1 53.05,24.75 53.25,24.95 R11.1 R10.2 53.25,28.925 53.365,29.04 DD6_RS485_2.6@53.365,30.3
NetDD6_RS485_2_7: DD6_RS485_2.7 R9.2 R10.1 VD4.2 XP2.24 | length 30.4
  Top Layer w0.25: XP2.24 40.2,7.45 54.694,21.944 ; DD6_RS485_2.7@54.635,30.3 54.635,29.04 54.75,28.925 R10.1 R9.2 54.75,24.95 54.95,24.75 VD4.2 54.95,22.214 VD4.2@54.777,22.041
NetDD7_12: DD7.12 R13.2 R14.1 VD5.1 XP2.10 | length 31.8
  Top Layer w0.25: XP2.10 26.5,10.08 VD5.1 26.5,30.1 25.771,30.829 25.771,31.879 R13.2 ; R14.1 R13.2 ; DD7.12 25.865,32.765 25.75,32.65 R13.2
NetDD7_13: DD7.13 R12.2 R13.1 VD5.2 XP2.12 | length 31.9
  Top Layer w0.25: XP2.12 24.96,7.76 27,9.8 27,20.6 28.4,22 VD5.2 28.4,25.4 27,26.8 27,30.1 27.25,30.35 R13.1 ; DD7.13 27.135,32.765 27.25,32.65 R13.1 ; R12.2 R13.1
NetDD8_6: DD8.6 XP2.14 | length 16.9
  Top Layer w0.25: XP2.14 32.25,10.75 32.25,19.965 31.865,20.35 DD8.6
NetDD8_7: DD8.7 XP2.16 | length 16.1
  Top Layer w0.2: DD8.7@33.135,20.35 DD8.7
  Top Layer w0.25: XP2.16 30.04,7.84 32.75,10.55 32.75,19.965 DD8.7@33.135,20.35
NetR5_1: R5.1 VD1.1 | length 1.3
  Top Layer w0.25: VD1.1 R5.1
PWM1: M1.35 XP2.30 | length 56.7
  Bottom Layer w0.25: XP2.30 63.5,21.68 63.5,39.28 M1.35
PWM2: M1.37 XP2.32 | length 55
  Bottom Layer w0.25: XP2.32 64,19.64 64,41.32 M1.37
RP0: M1.36 XP2.34 | length 58.3
  Top Layer w0.25: M1.36 52.8,52.52 52.8,50.6 63.6,39.8 63.6,14.8 54.8,6 XP2.34
RP1: M1.38 XP2.33 | length 59.1
  Top Layer w0.25: XP2.33 64.1,14.66 64.1,40 55.3,48.8 55.3,52.56 M1.38
S: VT1.2 VT1.3
SCL1: DD1.3 M1.5 R2.1 | length 25.4
  Top Layer w0.2: R2.1 v1(14.365,29.5)
  Top Layer w0.25: DD1.3 R2.1
  Bottom Layer w0.2: M1.5 13.45,30.415 v1(14.365,29.5)
SDA1: DD1.2 M1.3 R1.1 | length 32
  Top Layer w0.2: v1(15.635,24.8) DD1.2
  Top Layer w0.25: DD1.2 R1.1
  Bottom Layer w0.2: M1.3 10.91,31.39 15.635,26.665 v1(15.635,24.8)
UART0_R\E\/DE: DD7.4 DD7.5 M1.12 | length 13.8
  Top Layer w0.2: DD7.4 v1(27.135,45.165)
  Top Layer w0.25: DD7.5 DD7.4
  Bottom Layer w0.25: M1.12 22.295,52.545 22.295,50.005 v1(27.135,45.165)
UART0_RX: DD7.3 M1.10 | length 17.5
  Top Layer w0.2: v1(28.405,42.085) DD7.3
  Bottom Layer w0.25: M1.10 19.8,52.5 19.8,50.69 v1(28.405,42.085)
UART0_TX: DD7.6 M1.8 | length 16.9
  Top Layer w0.2: v1(24.595,42.085) DD7.6
  Bottom Layer w0.25: M1.8 17.3,52.46 17.3,49.38 v1(24.595,42.085)
UART2_R\E\/DE: DD6_RS485_1.2 DD6_RS485_1.3 M1.26 | length 25.3
  Top Layer w0.2: v1(46.365,34.3) DD6_RS485_1.3@46.365,35.7 ; DD6_RS485_1.3@46.407,35.742 DD6_RS485_1.3@46.365,35.7 ; DD6_RS485_1.2@47.635,35.7 DD6_RS485_1.3@46.365,35.7
  Bottom Layer w0.25: M1.26 40.1,52.52 40.1,46.6 41,45.7 41,39.665 v1(46.365,34.3)
UART2_RX: DD6_RS485_1.1 M1.28 | length 21.2
  Top Layer w0.2: DD6_RS485_1.1@48.905,35.7 v1(48.905,37.1)
  Bottom Layer w0.25: M1.28 42.7,52.46 42.7,43.305 v1(48.905,37.1)
UART2_TX: DD6_RS485_1.4 M1.27 | length 17.1
  Top Layer w0.2: DD6_RS485_1.4@45.095,35.7 v1(45.095,37.1)
  Bottom Layer w0.25: M1.27 41.39,46.41 41.5,46.3 41.5,40.695 v1(45.095,37.1)
UART3_R\E\/DE: DD6_RS485_2.2 DD6_RS485_2.3 M1.31 | length 20.2
  Top Layer w0.2: DD6_RS485_2.3@53.365,35.7 54.635,35.7 v1(54.635,37.1)
  Bottom Layer w0.25: M1.31 46.47,45.265 v1(54.635,37.1)
UART3_RX: DD6_RS485_2.1 M1.29 | length 23.3
  Top Layer w0.2: v1(55.905,34.3) DD6_RS485_2.1@55.905,35.7
  Bottom Layer w0.25: M1.29 43.93,46.275 v1(55.905,34.3)
UART3_TX: DD6_RS485_2.4 M1.7 | length 45.8
  Top Layer w0.25: M1.7 19.22,48 45.3,48 52.095,41.205 DD6_RS485_2.4@52.095,35.7
UART4_RX: DD8.2 M1.21 | length 30.5
  Top Layer w0.25: DD8.2 v1(33.135,27.6)
  Bottom Layer w0.25: v1(33.135,27.6) 40,34.465 40,45 M1.21
UART4_TX: DD8.3 M1.24 | length 35.7
  Top Layer w0.25: v1(31.865,24.8) DD8.3
  Bottom Layer w0.25: v1(31.865,24.8) 33.68,26.615 33.68,26.617 33.988,26.925 33.99,26.925 40.5,33.435 40.5,45.2 37.534,48.166 37.534,52.546 M1.24
UART5_RX: M1.33 XP2.28 | length 58.4
  Bottom Layer w0.25: XP2.28 63,23.72 63,37.24 M1.33
UART5_TX: M1.32 XP2.26 | length 62.6
  Bottom Layer w0.25: XP2.26 62.5,25.76 62.5,35.2 47.7,50 47.7,52.54 M1.32
pads on no net: DD7.11 DD7.14 M1.0 M1.1 M1.11 M1.13 M1.15 M1.16 M1.17 M1.18 M1.19 M1.22 M1.23 M1.40

## Polygon pours and split planes (outlines as drawn)
DGND on Bottom Layer "NONET_L-01_P-001" (solid, remove dead copper, pour order 55): 0,56 65,56 65,0 0,0
DGND_ISO_1 on Bottom Layer "NONET_L-01_P-001" (solid, remove dead copper, pour order 78): 16,2.4 21.1,2.4 21.1,13.1 23.6,15.6 25,17 25,23.5 11,23.5 11,18.484 16,13.484
DGND_ISO_3 on Bottom Layer "NONET_L-01_P-001" (solid, remove dead copper, pour order 79): 29.8,10.9 26.5,7.6 26.5,2.4 31.3,2.4 31.3,7.6 34,10.3 42.5,18.8 42.5,23.5 29.8,23.5
DGND_ISO_2 on Bottom Layer "NONET_L-01_P-001" (solid, remove dead copper, pour order 80): 21.3,2.4 26.3,2.4 26.3,7.7 29.6,11 29.6,28.8 31.8,31 39,31 39,39 21,39 21,31 25.2,26.8 25.2,16.9 21.3,13 21.3,7.2
5V on Bottom Layer "NONET_L-01_P-001" (solid, remove dead copper, pour order 77): 33.47,39.02 38.27,39.02 38.27,41.52 33.47,41.52
5V_ISO_2 on Bottom Layer "NONET_L-01_P-001" (solid, remove dead copper, pour order 76): 33.47,33.94 38.27,33.94 38.27,36.44 33.47,36.44
5V on Bottom Layer "NONET_L-01_P-001" (solid, remove dead copper, pour order 75): 36.8,23.52 41.6,23.52 41.6,26.02 36.8,26.02
5V_ISO_3 on Bottom Layer "NONET_L-01_P-001" (solid, remove dead copper, pour order 74): 36.8,18.44 41.6,18.44 41.6,20.94 36.8,20.94
5V on Bottom Layer "NONET_L-01_P-001" (solid, remove dead copper, pour order 73): 19.3,23.52 24.1,23.52 24.1,26.02 19.3,26.02
5V_ISO_1 on Bottom Layer "NONET_L-01_P-001" (solid, remove dead copper, pour order 72): 19.3,18.44 24.1,18.44 24.1,20.94 19.3,20.94
DGND on Top Layer "NONET_L-01_P-001" (solid, remove dead copper, pour order 52): 0,56 65,56 65,0 0,0
DGND_ISO_1 on Top Layer "NONET_L-01_P-001" (solid, remove dead copper, pour order 84): 16,2.4 21.1,2.4 21.1,13.1 23.6,15.6 25,17 25,23.5 11,23.5 11,18.484 16,13.484
DGND_ISO_2 on Top Layer "NONET_L-01_P-001" (solid, remove dead copper, pour order 85): 21.3,2.4 26.3,2.4 26.3,7.7 29.6,11 29.6,28.8 31.8,31 39,31 39,39 21,39 21,31 25.2,26.8 25.2,16.9 21.3,13
DGND_ISO_3 on Top Layer "NONET_L-01_P-001" (solid, remove dead copper, pour order 86): 29.8,10.9 26.5,7.6 26.5,2.4 31.3,2.4 31.3,7.6 34,10.3 42.5,18.8 42.5,23.5 29.8,23.5
5V on Top Layer "NONET_L-01_P-001" (solid, remove dead copper, pour order 57): 4.3,16 4.3,25.5 1.7,25.5 1.7,16
5VIN on Top Layer "Top Layer-5VIN" (solid, remove dead copper, pour order 63): 4.5,16 11.25,9.25 11.25,2.5 13.25,2.5 13.25,13 9.5,16.75 9.5,19.5 6.5,19.5 6.5,28.8 4.5,28.8
5V on Int2 (PWR) "NONET_L-01_P-001" (solid, remove dead copper, pour order 61): 0,0 65,0 65,56 0,56
5V_ISO_1 on Int2 (PWR) "NONET_L-01_P-001" (solid, remove dead copper, pour order 67): 16,2.4 21.1,2.4 21.1,13.1 23.6,15.6 25,17 25,23.5 11,23.5 11,18.484 16,13.484
5V_ISO_3 on Int2 (PWR) "NONET_L-01_P-001" (solid, remove dead copper, pour order 68): 29.8,10.9 26.5,7.6 26.5,2.4 31.3,2.4 31.3,7.6 34,10.3 42.5,18.8 42.5,23.5 29.8,23.5
5V_ISO_2 on Int2 (PWR) "NONET_L-01_P-001" (solid, remove dead copper, pour order 69): 21.3,2.4 26.3,2.4 26.3,7.7 29.6,11 29.6,28.8 31.8,31 39,31 39,39 21,39 21,31 25.2,26.8 25.2,16.9 21.3,13 21.3,7.2
DGND on Int1 (GND) "NONET_L-01_P-001" (solid, remove dead copper, pour order 70): 0,0 0,56 65,56 65,0
DGND_ISO_1 on Int1 (GND) "NONET_L-01_P-001" (solid, remove dead copper, pour order 81): 16,2.4 21.1,2.4 21.1,7.1 21.1,13.1 23.6,15.6 25,17 25,23.5 11,23.5 11,18.484 16,13.484
DGND_ISO_3 on Int1 (GND) "NONET_L-01_P-001" (solid, remove dead copper, pour order 82): 29.8,10.9 26.5,7.6 26.5,2.4 31.3,2.4 31.3,7.6 34,10.3 42.5,18.8 42.5,23.5 29.8,23.5
DGND_ISO_2 on Int1 (GND) "NONET_L-01_P-001" (solid, remove dead copper, pour order 83): 21.3,2.4 26.3,2.4 26.3,7.7 29.6,11 29.6,28.8 31.8,31 39,31 39,39 21,39 21,31 25.2,26.8 25.2,16.9 21.3,13 21.3,7.2

## Other copper
Multi-Layer:
  the board outline again, w0.2

## Silkscreen, mask and mechanical layers (free items; w line width, h text height)
Top Overlay:
  text "PI4MB_HAT_V2_1" at 62.466,20.668 h2 r90
  text "I2C_ISO" at 16.842,14.368 h1
  text "RS485_ISO" at 21.244,13.733 h1
  text "UART_ISO" at 26.474,13.733 h1
  text "RS485_1" at 31.988,12.463 h1
  text "RS485_2" at 37.009,12.463 h1
  text "UART5" at 42.403,12.386 h1
  text "TX" at 45.405,10.237 h1 r90
  text "RX" at 42.865,10.213 h1 r90
  text "PWM1" at 47.946,10.205 h1 r90
  text "B_ISO" at 25.082,10.166 h1 r90
  text "A_ISO" at 22.542,10.132 h1 r90
  text "PWM2" at 50.486,10.147 h1 r90
  text "B_1" at 35.238,10.115 h1 r90
  text "A_1" at 32.698,10.081 h1 r90
  text "B_2" at 40.318,10.056 h1 r90
  text "A_2" at 37.778,10.023 h1 r90
  text "TX_ISO" at 27.622,9.87 h1 r90
  text "RX_ISO" at 30.162,9.845 h1 r90
  text "SCL_ISO" at 17.462,9.582 h1 r90
  text "SDA_ISO" at 20.002,9.532 h1 r90
  text "DGND" at 37.743,1.18 h1
  text "DGND" at 46.243,1.18 h1
  text "DGND_ISO_1" at 15.485,1.163 h1
  text "DGND_ISO_2" at 21.426,1.163 h1
  text "DGND_ISO_3" at 27.423,1.163 h1
Mechanical 3:
  the board outline again, w0.2